# Allegro board 6089-103-RevA_73.brd (continued)
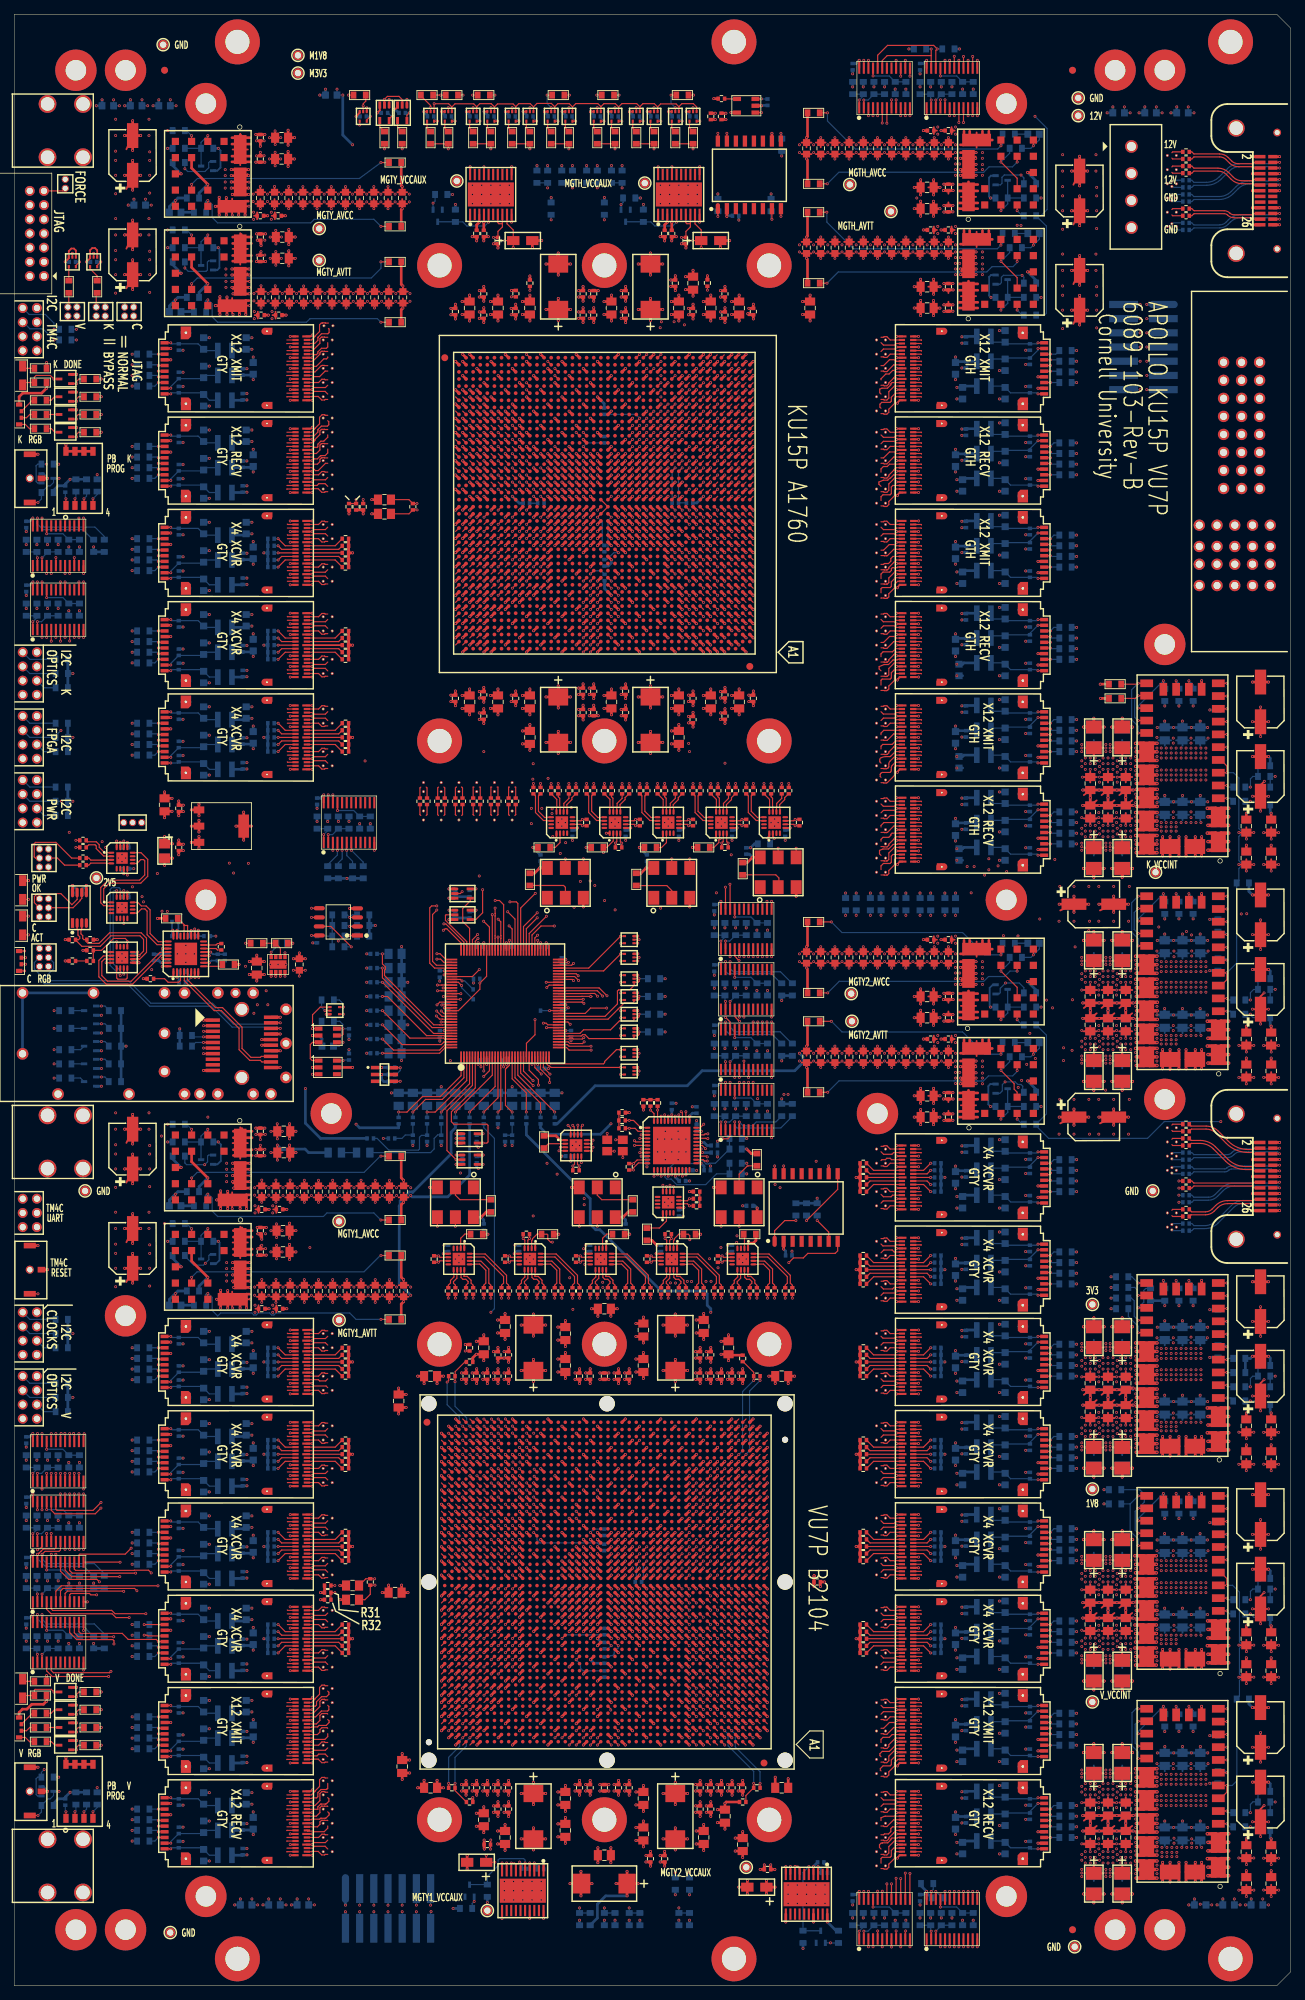
[diagram p0: board, top side]
## Routing (per net, layer and track width the routed paths; a pad name or vN(x,y) marks a point on that pad's centre or on a via; arc(x,y) is an arc through that point) (continued)
v1(100.17,214.87) ; v1(94.06,245.45) C243.2 v1(94.7,244.87) ; U66.B6 v1(101.17,34.95) ; U65.K29 v1(75.23,196.93) ; U66.L12 v1(95.17,43.94) ; R58.1 R59.1 R60.1 ; U66.AW42 v1(64.24,72.86) ; U65.T7 v1(98.17,202.93) ; v1(101.15,237.31) C287.2 v1(102.2,238.22) ; v1(35.44,242.95) C21.2 v1(34.16,242.95) ; U66.AE1 v1(106.17,58.86) ; U65.BA22 v1(82.23,228.87) ; U13.17 v1(37.51,134.11) ; U66.P35 v1(71.23,46.94) ; v1(135.6,142.64) 135,142.64 ; U65.Y39 v1(65.23,206.93) ; U66.AY44 v1(62.24,73.87) ; U65.F4 v1(101.17,192.93) ; U66.AF4 v1(103.17,59.85) ; U66.AD9 v1(98.17,57.87) ; U66.F3 v1(104.16,38.93) ; P2.19 v1(178.38,250.53) ; U66.AK35 v1(71.23,63.87) ; U66.AA38 v1(68.23,53.95) ; U66.AT42 v1(64.24,69.86) ; C351.2 v1(126.88,239.4) ; C351.2 v1(127.79,240.45) ; C351.2 v1(127.79,238.35) ; U65.AH28 v1(76.23,215.87) ; U66.AH45 v1(61.25,61.86) ; C358.2 v1(128.17,247.4) ; v1(84.11,94.35) C192.2 v1(85.02,95.4) ; U66.M35 v1(71.23,44.93) ; v1(135.6,128.64) 135,128.64 ; U66.BD3 v1(104.16,77.86) ; U66.N1 v1(106.17,45.95) ; U66.AF26 v1(80.25,59.85) ; U65.H38 v1(66.23,194.93) ; U66.BA21 v1(86.15,74.87) ; U66.M37 v1(69.25,44.93) ; U117.2 v1(144.33,20.1) ; v1(131.06,125.85) C379.2 v1(132.34,125.85) ; v1(82.33,238.85) C185.2 v1(81.06,238.85) ; U65.N2 v1(103.17,199.93) ; U65.F12 v1(93.17,192.93) ; U65.AM4 v1(101.17,219.87) ; R24.1 v1(12.27,33.9) ; U66.AH42 v1(64.24,61.86) ; U29.4 v1(22.07,37.1) ; U119.15 v1(142.86,241.5) ; U65.AM33 v1(71.23,219.87) ; U66.AN12 v1(95.17,66.86) ; U66.C12 v1(95.17,35.94) ; C475.2 v1(177.2,50.72) ; U65.D16 v1(89.17,190.93) ; v1(68.2,86.93) C134.2 v1(67.56,86.35) ; U66.AV8 v1(99.16,71.87) ; U65.A8 v1(97.17,187.93) ; U66.AF40 v1(66.23,59.85) ; U66.AT41 v1(65.23,69.86) ; U66.AF36 v1(70.24,59.85) ; C307.2 v1(109.11,29.17) ; v1(135.55,143.5) 134.45,143.5 ; U65.AJ38 v1(66.23,216.87) ; C8.2 v1(16.7,104.62) ; C8.2 v1(15.57,106.7) ; C8.2 v1(17.83,106.7) ; C8.2 v1(16.7,108.78) ; U66.Y20 v1(87.17,52.93) ; v1(135.55,257.5) 134.45,257.5 ; U65.AT39 v1(65.23,223.87) ; U66.AD16 v1(91.16,57.87) ; U65.AF40 v1(64.23,213.87) ; U72.3 v1(87.91,139.9) ; C31.2 v1(35.93,95.4) ; U65.Y7 v1(98.17,206.93) ; v1(34.27,106.85) C24.2 v1(35.53,106.85) ; U66.N6 v1(101.17,45.95) ; 103.7,65.41 v1(104.16,65.87) ; U66.AN38 v1(68.23,66.86) ; U66.K45 v1(61.25,42.95) ; U65.AG42 v1(62.23,214.87) ; U65.C42 v1(62.23,189.93) ; U66.AG5 v1(102.16,60.87) ; U65.K11 v1(94.17,196.93) ; U66.BD22 v1(85.16,77.86) ; U66.U43 v1(63.23,49.93) ; U66.AH22 v1(85.16,61.86) ; U65.T18 v1(87.17,202.93) ; U66.AL39 v1(67.24,64.86) ; U19.2 v1(26.05,164.23) ; U19.2 v1(24.97,163.4) ; U19.2 v1(26.05,162.57) ; U65.E42 v1(62.23,191.93) ; U26.2 v1(22.07,77.7) ; U65.V7 v1(98.17,204.93) ; U65.AM12 v1(93.17,219.87) ; U65.AY4 v1(101.17,227.87) ; U65.U41 v1(63.23,203.93) ; U65.D21 v1(84.17,190.93) ; U13.1 v1(26.69,136.06) ; U65.AR24 v1(80.23,222.87) ; U65.AD38 v1(66.23,211.87) ; U66.C1 v1(106.17,35.94) ; U66.AE29 v1(77.22,58.86) ; 78.7,65.41 v1(78.24,65.87) ; U65.AB7 v1(98.17,209.87) ; U66.AG23 v1(84.17,60.87) ; U65.C38 v1(66.23,189.93) ; C38.2 v1(38.43,109.4) ; U66.AC39 v1(67.24,55.93) ; SW3.1 v1(3.35,30.8) ; R60.1 R61.1 R62.1 ; R60.1 v1(47.71,61.9) ; U63.3 v1(78.58,112.5) ; U65.AM7 v1(98.17,219.87) ; U65.AY39 v1(65.23,227.87) ; U66.AP3 v1(104.16,67.86) ; U33.2 v1(42.04,129.4) ; U65.BB40 v1(64.23,229.87) ; U109.2 v1(144.33,160.1) ; U65.AK29 v1(75.23,217.87) ; U66.W21 v1(86.15,51.94) ; U65.L13 v1(92.17,197.93) ; U65.AJ13 v1(92.17,216.87) ; U66.AT3 v1(104.16,69.86) ; U65.AU1 v1(104.17,224.87) ; U66.AP42 v1(64.24,67.86) ; v1(135.55,129.5) 134.45,129.5 ; U65.H11 v1(94.17,194.93) ; U66.BB1 v1(106.17,75.86) ; U65.N41 v1(63.23,199.93) ; U65.G25 v1(79.23,193.93) ; U66.J5 v1(102.16,41.93) ; U65.AL33 v1(71.23,218.87) ; U66.AA25 v1(81.24,53.95) ; U66.K42 v1(64.24,42.95) ; U66.AK45 v1(61.25,63.87) ; U66.AP35 v1(71.23,67.86) ; U65.H40 v1(64.23,194.93) ; v1(100.7,91.72) C282.2 v1(99.65,90.81) ; U65.N38 v1(66.23,199.93) ; U65.AW10 v1(95.17,226.87) ; U66.Y46 v1(60.23,52.93) ; U66.W7 v1(100.17,51.94) ; U66.D42 v1(64.24,36.93) ; U66.AJ1 v1(106.17,62.88) ; U35.4 v1(47.3,151.81) ; U65.AR2 v1(103.17,222.87) ; U65.H4 v1(101.17,194.93) ; U65.AK13 v1(92.17,217.87) ; R77.2 54.56,113.84 v1(54.9,113.5) ; U65.AE41 v1(63.23,212.87) ; U66.BA6 v1(101.17,74.87) ; C19.2 v1(35.73,249.4) ; U66.AE35 v1(71.23,58.86) ; U66.V14 v1(93.16,50.92) ; U66.J1 v1(106.17,41.93) ; R30.1 R31.1 v1(43.19,55.4) ; U66.AB45 v1(61.25,54.94) ; U65.AT27 v1(77.23,223.87) ; C457.2 v1(173.7,20.72) ; U65.AB20 v1(85.17,209.87) ; U65.G15 v1(90.17,193.93) ; U65.AL41 v1(63.23,218.87) ; U65.AC42 v1(62.23,210.87) ; U65.C33 v1(71.23,189.93) ; U66.AF3 v1(104.16,59.85) ; U66.AY8 v1(99.16,73.87) ; U66.B2 v1(105.15,34.95) ; U65.U17 v1(88.17,203.93) ; U66.K24 v1(82.23,42.95) ; U65.Y40 v1(64.23,206.93) ; U65.AG38 v1(66.23,214.87) ; U65.AF26 v1(78.23,213.87) ; U25.2 v1(22.07,90.7) ; 150.74,147.31 v1(150.75,147.31) 152.2,147.31 ; v1(105.75,17.04) C302.2 v1(105.17,16.4) ; R29.2 v1(39.27,146.9) ; U121.15 v1(142.86,127.5) ; U66.AY6 v1(101.17,73.87) ; U65.E41 v1(63.23,191.93) ; Q6.2 v1(8.8,39.55) ; U65.AC38 v1(66.23,210.87) ; U15.15 v1(23.54,255.3) ; U65.J33 v1(71.23,195.93) ; U65.AA23 v1(81.23,207.93) ; U65.AT3 v1(102.17,223.87) ; U66.AC7 v1(100.17,55.93) ; U66.J39 v1(67.24,41.93) ; P2.7 v1(178.38,255.32) ; U66.AV12 v1(95.17,71.87) ; v1(68.2,89.93) C133.2 v1(67.56,89.35) ; U65.AK4 v1(101.17,217.87) ; C472.2 v1(177.2,130.72) ; U65.AH31 v1(73.23,215.87) ; SW3.3 v1(4.7,27.4) ; U29.2 v1(22.07,38.7) ; U66.T45 v1(61.25,48.94) ; U66.J43 v1(63.23,41.93) ; U66.AU42 v1(64.24,70.85) ; U65.G42 v1(62.23,193.93) ; U65.BA42 v1(62.23,228.87) ; U30.2 v1(22.07,25.7) ; U66.AN15 v1(92.17,66.86) ; U66.R2 v1(105.15,47.93) ; U66.G42 v1(64.24,39.93) ; U66.B18 v1(89.18,34.95) ; U65.AP38 v1(66.23,221.87) ; U65.B40 v1(64.23,188.93) ; U66.D41 v1(65.23,36.93) ; U66.B8 v1(99.16,34.95) ; U65.AN34 v1(70.23,220.87) ; U66.AB24 v1(82.23,54.94) ; U66.AR35 v1(71.23,68.87) ; U65.E11 v1(94.17,191.93) ; v1(98.2,23.87) C268.2 v1(97.56,24.45) ; C357.2 v1(128.17,261.4) ; U65.A12 v1(93.17,187.93) ; U66.N43 v1(63.23,45.95) ; C365.2 v1(130.67,261.4) ; U66.D32 v1(74.23,36.93) ; U66.Y3 v1(104.16,52.93) ; v1(92.56,240.35) C234.2 v1(93.2,240.93) ; U65.AR14 v1(91.17,222.87) ; U65.BB25 v1(79.23,229.87) ; U65.AK3 v1(102.17,217.87) ; U65.AH30 v1(74.23,215.87) ; Q7.2 v1(8.8,37.05) ; U66.AA6 v1(101.17,53.95) ; U65.AH16 v1(89.17,215.87) ; U65.AC23 v1(81.23,210.87) ; U66.W35 v1(71.23,51.94) ; U66.AJ44 v1(62.24,62.88) ; U65.AJ32 v1(72.23,216.87) ; U65.M25 v1(79.23,198.93) ; U65.H28 v1(76.23,194.93) ; U65.AB3 v1(102.17,209.87) ; U120.15 v1(142.86,141.5) ; U65.W1 v1(104.17,205.93) ; U65.AG23 v1(81.23,214.87) ; U66.AL31 v1(75.24,64.86) ; U65.AB28 v1(76.23,209.87) ; U65.AR38 v1(66.23,222.87) ; U66.AA31 v1(75.24,53.95) ; U65.AG1 v1(104.17,214.87) ; U66.H41 v1(65.23,40.94) ; U66.AN43 v1(63.23,66.86) ; U65.AV7 v1(98.17,225.87) ; 44.52,136.9 v1(43.99,136.9) ; U66.AT16 v1(91.16,69.86) ; U66.D12 v1(95.17,36.93) ; U66.AF45 v1(61.25,59.85) ; U65.BB8 v1(97.17,229.87) ; U65.AD40 v1(64.23,211.87) ; U66.H4 v1(103.17,40.94) ; U65.H7 v1(98.17,194.93) ; v1(64.56,27.45) C113.2 v1(65.2,26.87) ; U66.BB46 v1(60.23,75.86) ; U65.AH29 v1(75.23,215.87) ; U65.BA37 v1(67.23,228.87) ; R160.2 111.84,129.29 ; U66.AR5 v1(102.16,68.87) ; U47.3 v1(62.3,118.74) ; U112.4 v1(144.33,86.7) ; U65.B35 v1(69.23,188.93) ; U65.B7 v1(98.17,188.93) ; U66.F4 v1(103.17,38.93) ; U66.N25 v1(81.24,45.95) ; U65.AC5 v1(100.17,210.87) ; U66.AP36 v1(70.24,67.86) ; U65.BB7 v1(98.17,229.87) ; U65.AP40 v1(64.23,221.87) ; U65.V16 v1(89.17,204.93) ; U66.AG7 v1(100.17,60.87) ; v1(135.6,256.64) 135,256.64 ; U66.T22 v1(85.16,48.94) ; U65.W5 v1(100.17,205.93) ; U65.AR41 v1(63.23,222.87) ; C360.2 v1(128.17,133.4) ; U66.V45 v1(61.25,50.92) ; U65.AT4 v1(101.17,223.87) ; U65.AM35 v1(69.23,219.87) ; U66.AH37 v1(69.25,61.86) ; U66.P4 v1(103.17,46.94) ; U65.H34 v1(70.23,194.93) ; U66.G5 v1(102.16,39.93) ; U65.J11 v1(94.17,195.93) ; U108.4 v1(144.33,174.7) ; U66.BE29 v1(77.22,78.85) ; U66.AY42 v1(64.24,73.87) ; U65.AG9 v1(96.17,214.87) ; U66.BA39 v1(67.24,74.87) ; U66.C35 v1(71.23,35.94) ; v1(153.65,147.31) 152.2,147.31 ; U122.24 161.12,167.38 v1(161.13,167.38) ; U66.AD4 v1(103.17,57.87) ; U66.J2 v1(105.15,41.93) ; U66.BD12 v1(95.17,77.86) ; v1(84.56,27.45) C203.2 v1(85.2,26.87) ; U66.AF8 v1(99.16,59.85) ; U65.AM15 v1(90.17,219.87) ; U66.AB8 v1(99.16,54.94) ; U65.T31 v1(73.23,202.93) ; U66.G46 v1(60.23,39.93) ; U65.J32 v1(72.23,195.93) ; C29.2 v1(35.93,109.4) ; U65.AC27 v1(77.23,210.87) ; SW2.3 v1(4.7,100.9) ; U66.AE23 v1(84.17,58.86) ; U65.G9 v1(96.17,193.93) ; U66.J27 v1(79.23,41.93) ; U66.U5 v1(102.16,49.93) ; v1(66.06,86.35) C124.2 v1(66.7,86.93) ; U66.K37 v1(69.25,42.95) ; U65.BB20 v1(85.17,229.87) ; U65.T29 v1(75.23,202.93) ; U65.U2 v1(103.17,203.93) ; U66.B44 v1(62.24,34.95) ; U65.AY9 v1(96.17,227.87) ; U65.R41 v1(63.23,201.93) ; U66.AD37 v1(69.25,57.87) ; U66.AV30 v1(76.23,71.87) ; U24.4 v1(22.07,177.1) ; U66.AP22 v1(85.16,67.86) ; U66.BC6 v1(101.17,76.87) ; U65.U1 v1(104.17,203.93) ; U65.E9 v1(96.17,191.93) ; P3.19 v1(178.38,111.62) ; 10.18,154.05 v1(10.18,155.04) ; U65.R19 v1(86.17,201.93) ; U65.AM38 v1(66.23,219.87) ; U66.E41 v1(65.23,37.94) ; U65.L37 v1(67.23,197.93) ; U65.M31 v1(73.23,198.93) ; U66.A21 v1(86.15,33.93) ; v1(23.84,159.95) C13.2 v1(23.2,159.37) ; U66.T37 v1(69.25,48.94) ; U66.G33 v1(73.24,39.93) ; U65.AT40 v1(64.23,223.87) ; U65.Y3 v1(102.17,206.93) ; U66.W23 v1(84.17,51.94) ; U66.AG11 v1(96.16,60.87) ; U65.BB10 v1(95.17,229.87) ; C470.2 v1(177.2,160.72) ; U65.AN1 v1(104.17,220.87) ; U66.N38 v1(68.23,45.95) ; U65.V26 v1(78.23,204.93) ; C352.2 v1(127.79,237.45) ; C352.2 v1(126.88,236.4) ; C352.2 v1(127.79,235.35) ; v1(66.2,236.43) C118.2 v1(65.56,235.85) ; U65.P7 v1(98.17,200.93) ; v1(135.55,243.5) 134.45,243.5 ; U66.W2 v1(105.15,51.94) ; U65.AG37 v1(67.23,214.87) ; U21.2 v1(22.07,217.7) ; U65.M11 v1(94.17,198.93) ; C469.2 v1(177.2,165.22) ; U65.P35 v1(69.23,200.93) ; U21.4 v1(22.07,216.1) ; 65.7,65.41 v1(65.23,65.87) ; U65.J5 v1(100.17,195.93) ; U66.AP8 v1(99.16,67.86) ; U20.2 v1(22.07,230.7) ; U65.U40 v1(64.23,203.93) ; U66.N15 v1(92.17,45.95) ; U66.P36 v1(70.24,46.94) ; v1(132.34,253.85) C367.2 v1(131.06,253.85) ; C456.2 v1(173.7,46.22) ; U65.N13 v1(92.17,199.93) ; U66.BD46 v1(60.23,77.86) ; U66.AH5 v1(102.16,61.86) ; U65.A38 v1(66.23,187.93) ; U65.AJ26 v1(78.23,216.87) ; U65.AA2 v1(103.17,207.93) ; U66.R42 v1(64.24,47.93) ; U66.F41 v1(65.23,38.93) ; U66.AD24 v1(82.23,57.87) ; U66.AH16 v1(91.16,61.86) ; U65.L38 v1(66.23,197.93) ; v1(83.15,179.99) C199.2 v1(84.2,179.08) ; U66.P8 v1(99.16,46.94) ; P2.2 v1(174.58,257.73) ; U65.P13 v1(92.17,200.93) ; U65.L33 v1(71.23,197.93) ; U66.E44 v1(62.24,37.94) ; U66.AN1 v1(106.17,66.86) ; P2.25 v1(178.38,248.12) ; U65.E2 v1(103.17,191.93) ; U66.L43 v1(63.23,43.94) ; U66.AG21 v1(86.15,60.87) ; U65.P11 v1(94.17,200.93) ; v1(69.7,26.87) C144.2 v1(69.06,27.45) ; U20.4 v1(22.07,229.1) ; U65.U13 v1(92.17,203.93) ; U65.AC25 v1(79.23,210.87) ; C473.2 v1(177.2,80.72) ; U65.B3 v1(102.17,188.93) ; U66.U13 v1(94.16,49.93) ; U65.H18 v1(87.17,194.93) ; U66.AL2 v1(105.15,64.86) ; C453.2 v1(173.7,80.72) ; U66.AB42 v1(64.24,54.94) ; C216.2 v1(88.7,123.4) ; U66.V28 v1(78.24,50.92) ; U65.T24 v1(80.23,202.93) ; U66.AF5 v1(102.16,59.85) ; U66.AG35 v1(71.23,60.87) ; U66.AD5 v1(102.16,57.87) ; U65.W33 v1(71.23,205.93) ; U65.AK19 v1(86.17,217.87) ; U66.AV46 v1(60.23,71.87) ; U48.3 v1(62.3,115.74) ; U65.B9 v1(96.17,188.93) ; U66.M9 v1(98.17,44.93) ; R104.1 v1(73.13,160.4) ; U65.BB35 v1(69.23,229.87) ; U107.2 v1(144.33,186.1) ; U66.BF26 v1(80.25,79.87) ; U65.AJ14 v1(91.17,216.87) ; U66.BB6 v1(101.17,75.86) ; U66.K4 v1(103.17,42.95) ; U66.AC5 v1(102.16,55.93) ; U65.AW1 v1(104.17,226.87) ; U65.J2 v1(103.17,195.93) ; U65.N29 v1(75.23,199.93) ; U66.AH3 v1(104.16,61.86) ; U66.J38 v1(68.23,41.93) ; U65.K39 v1(65.23,196.93) ; U65.E1 v1(104.17,191.93) ; U66.AB30 v1(76.23,54.94) ; v1(79.56,235.85) C178.2 v1(80.2,236.43) ; U66.AG17 v1(90.17,60.87) ; U66.AC21 v1(86.15,55.93) ; U66.G12 v1(95.17,39.93) ; U65.N23 v1(81.23,199.93) ; U65.C11 v1(94.17,189.93) ; C476.2 v1(177.2,46.22) ; U65.AF20 v1(85.17,213.87) ; U65.AD13 v1(92.17,211.87) ; U66.W5 v1(102.16,51.94) ; U66.AH9 v1(98.17,61.86) ; U66.AP46 v1(60.23,67.86) ; U66.AK14 v1(93.16,63.87) ; U66.W39 v1(67.24,51.94) ; U66.BD1 v1(106.17,77.86) ; R16.1 v1(12.27,221.4) ; U66.H3 v1(104.16,40.94) ; U66.BE19 v1(88.16,78.85) ; U66.AA29 v1(77.22,53.95) ; U66.BC42 v1(64.24,76.87) ; U65.AD4 v1(101.17,211.87) ; U65.F7 v1(98.17,192.93) ; 101.69,65.41 v1(102.16,65.87) ; U65.K38 v1(66.23,196.93) ; U66.Y35 v1(71.23,52.93) ; U66.E46 v1(60.23,37.94) ; R141.1 v1(97.73,240.93) ; U65.F38 v1(66.23,192.93) ; U65.AL32 v1(72.23,218.87) ; U66.AP40 v1(66.23,67.86) ; U66.AD41 v1(65.23,57.87) ; U65.G11 v1(94.17,193.93) ; U115.4 v1(144.33,47.7) ; U66.R19 v1(88.16,47.93) ; U66.AW1 v1(106.17,72.86) ; U65.F22 v1(82.23,192.93) ; 69.71,65.41 v1(69.25,65.87) ; U66.D9 v1(98.17,36.93) ; U118.15 v1(142.86,255.5) ; U66.AV3 v1(104.16,71.87) ; U65.AA41 v1(63.23,207.93) ; R93.1 v1(66.77,105.9) ; U25.4 v1(22.07,89.1) ; U66.M45 v1(61.25,44.93) ; U66.D3 v1(104.16,36.93) ; U65.AC1 v1(104.17,210.87) ; U65.AD24 v1(80.23,211.87) ; U65.J9 v1(96.17,195.93) ; U66.H46 v1(60.23,40.94) ; U65.AV11 v1(94.17,225.87) ; U66.R5 v1(102.16,47.93) ; U65.T39 v1(65.23,202.93) ; U65.R13 v1(92.17,201.93) ; U66.BA11 v1(96.16,74.87) ; U66.BA37 v1(69.25,74.87) ; U66.AN10 v1(97.15,66.86) ; U65.AJ41 v1(63.23,216.87) ; U65.Y13 v1(92.17,206.93) ; v1(68.2,238.22) C130.2 v1(67.15,237.31) ; U66.AY1 v1(106.17,73.87) ; U66.D44 v1(62.24,36.93) ; U65.J21 v1(84.17,195.93) ; U65.A6 v1(99.17,187.93) ; U65.V31 v1(73.23,204.93) ; U66.AH35 v1(71.23,61.86) ; U65.Y26 v1(78.23,206.93) ; U66.BB8 v1(99.16,75.86) ; 94.71,65.41 v1(95.17,65.87) ; SW2.1 v1(3.35,104.3) ; U39.2 v1(51.8,128.4) ; U65.W37 v1(67.23,205.93) ; U65.AP7 v1(98.17,221.87) ; U66.W13 v1(94.16,51.94) ; U116.2 v1(144.33,33.1) ; U66.AT35 v1(71.23,69.86) ; U65.AK39 v1(65.23,217.87) ; U65.AP11 v1(94.17,221.87) ; U65.AA9 v1(96.17,207.93) ; U66.J6 v1(101.17,41.93) ; U65.Y16 v1(89.17,206.93) ; C388.2 v1(150.65,81.81) ; U27.2 v1(22.07,64.7) ; U66.U2 v1(105.15,49.93) ; U65.AM39 v1(65.23,219.87) ; U65.F11 v1(94.17,192.93) ; U65.L41 v1(63.23,197.93) ; U65.AR5 v1(100.17,222.87) ; U66.J42 v1(64.24,41.93) ; U66.AC23 v1(84.17,55.93) ; U22.4 v1(22.07,203.1) ; U66.BF36 v1(70.24,79.87) ; U66.AE38 v1(68.23,58.86) ; U66.AU2 v1(105.15,70.85) ; U65.AC13 v1(92.17,210.87) ; U65.W25 v1(79.23,205.93) ; U65.AE42 v1(62.23,212.87) ; U66.AJ43 v1(63.23,62.88) ; U66.AF20 v1(87.17,59.85) ; U66.AC17 v1(90.17,55.93) ; U65.T3 v1(102.17,202.93) ; C454.2 v1(173.7,76.22) ; U65.Y11 v1(94.17,206.93) ; U65.AJ16 v1(89.17,216.87) ; U65.Y28 v1(76.23,206.93) ; U65.U27 v1(77.23,203.93) ; U66.V42 v1(64.24,50.92) ; U65.D3 v1(102.17,190.93) ; U66.T3 v1(104.16,48.94) ; U65.AK24 v1(80.23,217.87) ; U65.AD20 v1(85.17,211.87) ; U65.AW26 v1(78.23,226.87) ; U66.R44 v1(62.24,47.93) ; U66.Y26 v1(80.25,52.93) ; U65.AF39 v1(65.23,213.87) ; U66.BE39 v1(67.24,78.85) ; U76.3 v1(87.91,129.4) ; U66.AH14 v1(93.16,61.86) ; U66.AE17 v1(90.17,58.86) ; U65.AR11 v1(94.17,222.87) ; U65.B30 v1(74.23,188.93) ; U65.G37 v1(67.23,193.93) ; U65.V13 v1(92.17,204.93) ; C37.2 v1(38.33,235.4) ; C474.2 v1(177.2,76.22) ; U65.R1 v1(104.17,201.93) ; U66.AU12 v1(95.17,70.85) ; U65.E38 v1(66.23,191.93) ; U65.AY14 v1(91.17,227.87) ; U65.AF24 v1(80.23,213.87) ; U66.AL1 v1(106.17,64.86) ; U65.N18 v1(87.17,199.93) ; P2.1 v1(178.38,257.73) ; C449.2 v1(173.7,165.22) ; U65.E29 v1(75.23,191.93) ; U65.T11 v1(94.17,202.93) ; U65.V14 v1(91.17,204.93) ; U65.N33 v1(71.23,199.93) ; U66.Y4 v1(103.17,52.93) ; U66.AY46 v1(60.23,73.87) ; U66.E2 v1(105.15,37.94) ; U66.H45 v1(61.25,40.94) ; U65.G35 v1(69.23,193.93) ; U65.AD28 v1(76.23,211.87) ; U95.10 v1(106.82,261.02) ; U66.BF3 v1(104.16,79.87) ; U65.AK38 v1(66.23,217.87) ; U66.BA44 v1(62.24,74.87) ; U65.AV4 v1(101.17,225.87) ; U66.K12 v1(95.17,42.95) ; U66.AY7 v1(100.17,73.87) ; U66.U21 v1(86.15,49.93) ; U65.AM11 v1(94.17,219.87) ; U114.2 v1(144.33,59.1) ; P2.13 v1(178.38,252.93) ; U66.AY2 v1(105.15,73.87) ; U65.AE29 v1(75.23,212.87) ; U66.AE25 v1(81.24,58.86) ; U66.AK46 v1(60.23,63.87) ; U65.AW5 v1(100.17,226.87) ; U110.4 v1(144.33,112.7) ; U66.H5 v1(102.16,40.94) ; U65.AK35 v1(69.23,217.87) ; U66.AR29 v1(77.22,68.87) ; U65.M3 v1(102.17,198.93) ; U65.AL9 v1(96.17,218.87) ; U65.AA42 v1(62.23,207.93) ; U65.J38 v1(66.23,195.93) ; U66.AB16 v1(91.16,54.94) ; U66.L2 v1(105.15,43.94) ; U65.AP39 v1(65.23,221.87) ; U66.AB28 v1(78.24,54.94) ; U65.AP16 v1(89.17,221.87) ; U65.AB40 v1(64.23,209.87) ; 114.82,114.42 v1(114.82,115.52) ; U65.D36 v1(68.23,190.93) ; U66.A44 v1(62.24,33.93) ; U65.BB3 v1(102.17,229.87) ; U65.U19 v1(86.17,203.93) ; U65.AH26 v1(78.23,215.87) ; U65.H35 v1(69.23,194.93) ; R15.1 v1(12.27,223.9) ; U116.4 v1(144.33,34.7) ; U66.AC43 v1(63.23,55.93) ; U65.AN38 v1(66.23,220.87) ; U65.K12 v1(93.17,196.93) ; U66.A3 v1(104.16,33.93) ; U66.F16 v1(91.16,38.93) ; U65.AE21 v1(84.17,212.87) ; U66.Y9 v1(98.17,52.93) ; U66.AN6 v1(101.17,66.86) ; U65.AF29 v1(75.23,213.87) ; U66.G11 v1(96.16,39.93) ; U66.F40 v1(66.23,38.93) ; U65.AA13 v1(92.17,207.93) ; U65.AB39 v1(65.23,209.87) ; U65.AH13 v1(92.17,215.87) ; U66.BE9 v1(98.17,78.85) ; U65.AP36 v1(68.23,221.87) ; U65.D39 v1(65.23,190.93) ; U66.AU5 v1(102.16,70.85) ; U66.N5 v1(102.16,45.95) ; U32.2 v1(42.04,133.9) ; U65.W29 v1(75.23,205.93) ; U109.4 v1(144.33,161.7) ; U66.AG1 v1(106.17,60.87) ; U65.AF18 v1(87.17,213.87) ; U66.AH30 v1(76.23,61.86) ; 64.71,65.41 v1(64.24,65.87) ; U65.T26 v1(78.23,202.93) ; U66.AA19 v1(88.16,53.95) ; U66.AT12 v1(95.17,69.86) ; U66.AJ35 v1(71.23,62.88) ; U66.AG27 v1(79.23,60.87) ; U66.AR39 v1(67.24,68.87) ; U66.L7 v1(100.17,43.94) ; U65.N37 v1(67.23,199.93) ; U65.AB29 v1(75.23,209.87) ; U65.BA17 v1(88.17,228.87) ; U66.W42 v1(64.24,51.94) ; U66.AW17 v1(90.17,72.86) ; U65.C2 v1(103.17,189.93) ; R156.2 111.84,243.29 ; U66.J17 v1(90.17,41.93) ; U66.E45 v1(61.25,37.94) ; U65.AA5 v1(100.17,207.93) ; C478.2 v1(177.2,16.22) ; U65.AH40 v1(64.23,215.87) ; v1(135.6,242.64) 135,242.64 ; U66.AN42 v1(64.24,66.86) ; U66.E29 v1(77.22,37.94) ; U65.AH20 v1(85.17,215.87) ; U66.AP5 v1(102.16,67.86) ; U65.AN33 v1(71.23,220.87) ; U104.4 v1(144.33,226.7) ; U66.AA35 v1(71.23,53.95) ; U66.AC44 v1(62.24,55.93) ; U66.B38 v1(68.23,34.95) ; U65.AL38 v1(66.23,218.87) ; U66.K35 v1(71.23,42.95)
  TOP w0.5: 159.65,52.88 159.65,52.06 ; 159.65,52.88 159.65,53.71 ; 159.65,52.88 v1(161.1,52.88) ; 159.65,52.88 v1(158.19,52.88) ; 159.65,52.06 160.03,51.67 v1(161.1,51.67) ; 159.65,52.06 159.27,51.68 v1(158.19,51.68) ; 159.65,23.7 159.28,24.07 v1(158.18,24.07) ; 159.65,23.7 U126.24 ; 159.65,23.7 160.03,24.08 v1(161.12,24.08) ; 169.75,164.72 U122.2 169.75,163.89 ; 169.75,164.72 v1(168.29,164.72) ; 169.75,164.72 v1(171.21,164.72) ; 169.75,164.72 169.75,165.54 ; v1(171.21,79) 170.13,79 169.75,79.39 ; v1(168.29,49.01) 169.37,49.01 169.75,49.39 ; 159.66,82.88 U124.24 v1(158.21,82.88) ; 159.66,82.88 159.66,83.7 ; 159.66,82.88 159.66,82.05 ; 159.66,82.88 v1(161.12,82.88) ; 169.75,165.54 170.13,165.92 v1(171.22,165.92) ; 169.75,165.54 169.38,165.91 v1(168.2,165.91) ; v1(171.21,20.21) 169.75,20.21 ; 169.75,20.21 169.75,19.39 ; 169.75,20.21 v1(168.29,20.21) ; 169.75,20.21 169.75,21.04 ; 159.69,136.55 159.31,136.17 v1(158.22,136.17) ; 159.69,136.55 160.07,136.16 v1(161.14,136.16) ; 159.69,136.55 159.69,137.38 ; v1(168.29,79.01) 169.37,79.01 169.75,79.39 ; 169.75,135.54 169.38,135.91 v1(168.2,135.91) ; 169.75,135.54 169.75,134.72 ; 169.75,135.54 170.13,135.92 v1(171.22,135.92) ; U126.24 v1(158.19,22.88) ; U126.24 159.65,22.05 ; U126.24 v1(161.1,22.88) ; 159.65,22.05 160.03,21.66 v1(161.1,21.66) ; 159.65,22.05 159.27,21.67 v1(158.19,21.67) ; v1(161.12,81.67) 160.04,81.67 159.66,82.05 ; 169.75,21.04 169.38,21.41 v1(168.2,21.41) ; 169.75,21.04 170.13,21.42 v1(171.22,21.42) ; 159.66,82.05 159.28,81.67 v1(158.2,81.67) ; v1(161.11,54.09) 160.03,54.09 159.65,53.71 ; 169.75,134.72 v1(168.29,134.72) ; 169.75,134.72 U123.2 169.75,133.89 ; 169.75,134.72 v1(171.21,134.72) ; 169.75,163.89 169.37,163.51 v1(168.29,163.51) ; 169.75,163.89 170.13,163.5 v1(171.21,163.5) ; v1(168.29,19.01) 169.37,19.01 169.75,19.39 ; 169.75,81.04 169.75,80.22 ; 169.75,81.04 169.38,81.42 v1(168.2,81.42) ; 169.75,81.04 170.13,81.42 v1(171.22,81.42) ; 169.75,80.22 v1(171.21,80.22) ; 169.75,80.22 U124.2 169.75,79.39 ; 169.75,80.22 v1(168.29,80.22) ; 169.75,50.22 v1(168.29,50.22) ; 169.75,50.22 v1(171.21,50.22) ; 169.75,50.22 U125.2 169.75,49.39 ; 169.75,50.22 169.75,51.04 ; 159.65,53.71 159.27,54.09 v1(158.17,54.09) ; 159.68,167.38 159.68,166.55 ; 159.68,167.38 v1(158.22,167.38) ; 159.68,167.38 v1(161.13,167.38) ; 159.68,167.38 159.68,168.21 ; 159.68,166.55 160.06,166.17 v1(161.13,166.17) ; 159.68,166.55 159.3,166.18 v1(158.22,166.18) ; 159.69,137.38 U123.24 v1(158.23,137.38) ; 159.69,137.38 159.69,138.2 ; 159.69,137.38 v1(161.14,137.38) ; 169.75,49.39 170.13,49.01 v1(171.21,49.01) ; v1(168.29,133.51) 169.37,133.51 169.75,133.89 ; 159.69,138.2 159.31,138.57 v1(158.21,138.57) ; 159.69,138.2 160.06,138.58 v1(161.15,138.58) ; 159.66,83.7 159.28,84.08 v1(158.19,84.08) ; 159.66,83.7 160.04,84.08 v1(161.12,84.08) ; v1(171.21,19) 170.13,19 169.75,19.39 ; v1(168.25,51.41) 169.38,51.41 169.75,51.04 ; v1(171.21,133.5) 170.13,133.5 169.75,133.89 ; 169.75,51.04 170.13,51.42 v1(171.22,51.42) ; 159.68,168.21 159.3,168.58 v1(158.2,168.58) ; 159.68,168.21 160.06,168.59 v1(161.14,168.59)